# Altium PCB volt_sensor.PcbDoc (part 1 of 2) (continued)
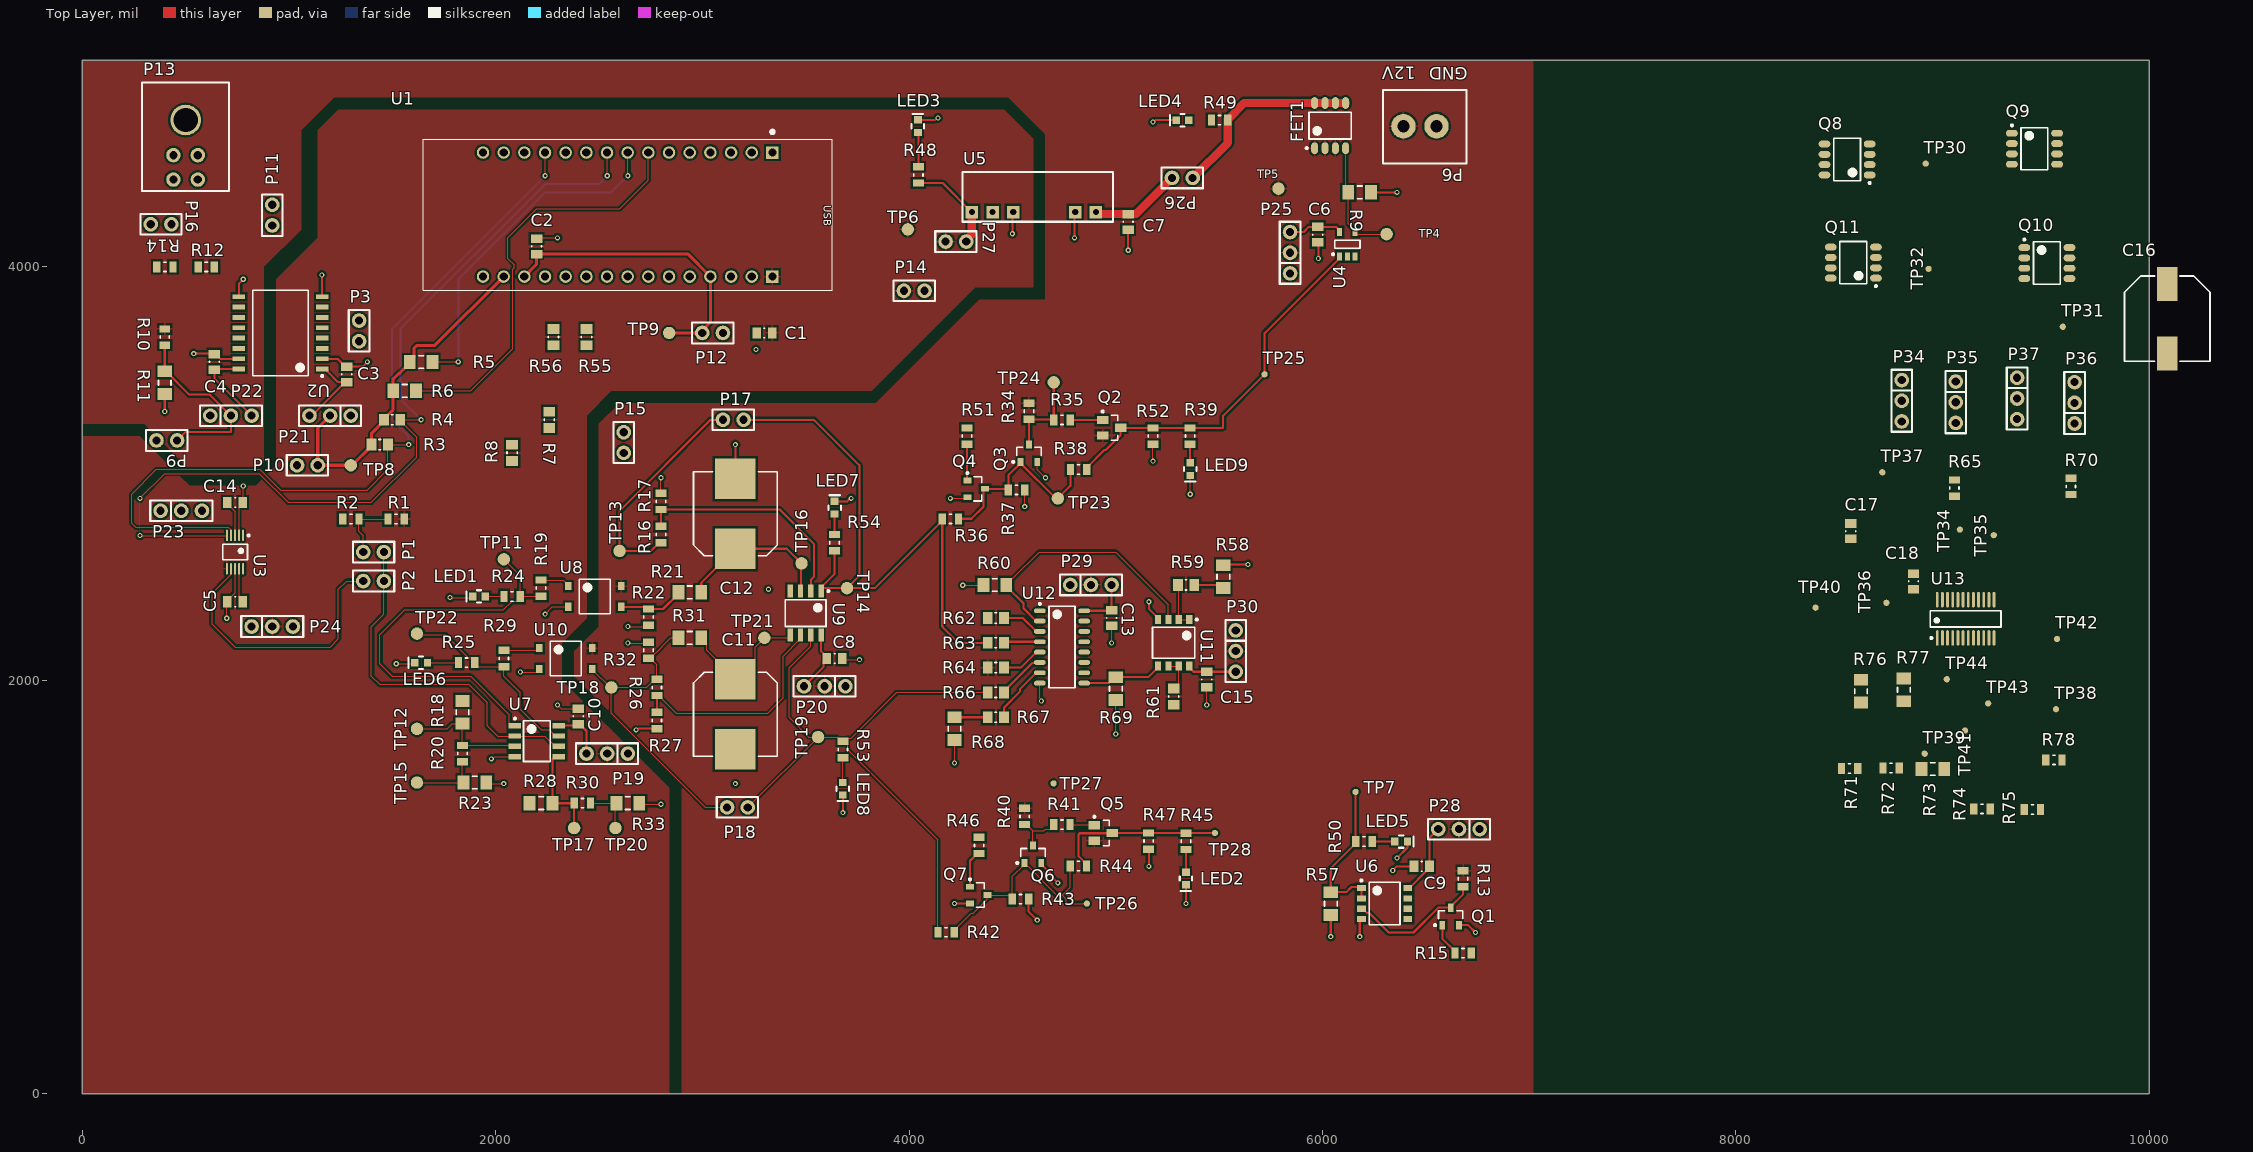
[diagram p0: Top Layer view]
## Footprints (in the part's own frame and the unit in brackets; to place one, negate y for a bottom-side part, rotate by r counter-clockwise, add the part's x,y. Pads: shape width x height; smd on the part's side, far side on the other; paste and mask are expansions set on the pad)
"2POS TERM BLOCK" [mm] "5mm Pitch"
  round 3 hole 1.5: 1(0,0) 2(4.064,0)
  silkscreen extent -2.5,-4.57 7.75,4.44, body extent -2.51,-4.57 8.09,4.43, height 12.6
430450400 [mil]
  round 70 hole 40: 1(59,170) 2(-59,170) 3(59,288) 4(-59,288)
  round 148 hole 118: 5(0,0)
  silkscreen extent -210,-181 210,344, body extent -200,-180 200,302, height 340
BU4S81G2 [mm]
  rect 1x0.6 smd: 1(-1.5,0.95) 2(-1.5,0) 3(-1.5,-0.95) 4(1.5,-0.95) 5(1.5,0.95)
  silkscreen extent -1.35,-1.55 0.5,1.87, body extent -0.9,-1.55 0.9,1.55, height 1.25
CAPAE110103X110N [mm] "Aluminum Electrolytic Capacitor, Body 10.30x10.30x11.00mm, IPC Medium Density"
  rect 4.15x2.5 smd: 1(-4.275,0) 2(4.275,0)
  silkscreen extent -5.25,-5.25 5.25,5.25, body extent -5.25,-5.25 5.25,5.25, height 11
CAPAE110103X126M [mm] "Aluminum Electrolytic Capacitor, Body 10.30x10.30x12.60mm, IPC Low Density"
  rect 5x5 smd: 1(-4.3,0) 2(4.3,0)
  silkscreen extent -5.15,-5.15 5.15,5.15, body extent -5.5,-5.15 5.5,5.15, height 12.6
FAIR-SOT23-3_V [mm] "SOT23, 3-Leads, Body 3.12x1.5mm, Pitch 0.95mm"
  rect 1.4x1 smd: 1(-1.1,0.95) 2(-1.1,-0.95) 3(1.1,0)
  silkscreen extent -1.22,-1.55 0.75,2.12, body extent -1.35,-1.56 1.35,1.56, height 1.2
"IL 41050TE" [mm]
  rect 1.5x0.6 smd: 1(-5.12,4.445) 2(-5.12,3.175) 3(-5.12,1.905) 4(-5.12,0.635) 5(-5.12,-0.635) 6(-5.12,-1.905) 7(-5.12,-3.175) 8(-5.12,-4.445) 9(5.12,-4.445) 10(5.12,-3.175) 11(5.12,-1.905) 12(5.12,-0.635) 13(5.12,0.635) 14(5.12,1.905) 15(5.12,3.175) 16(5.12,4.445)
  silkscreen extent -5.25,-5.25 3.4,5.42, body extent -5.16,-5.25 5.16,5.25, height 2.67
IS181D [mm]
  rect 0.8x1 smd: 1(-3.25,1.27) 2(-3.25,-1.27) 3(3.25,-1.27) 4(3.25,1.27)
  silkscreen extent -1.9,-2.1 1.9,2.1, body extent -2.3,-2.1 2.3,2.1, height 2
"LED 0603 ORANGE" [mm] "Chip Diode, 2-Leads, Body 1.60x0.80mm"
  rect 0.9x0.95 smd: 1(-0.775,0) 2(0.775,0)
  silkscreen extent -0.25,-0.76 1.52,0.76, body extent -0.8,-0.4 0.8,0.4, height 0.8
LT-GN-24_L [mm] "SOP, 24-Leads, Body 8.7x4mm, Pitch 0.635mm, IPC High Density"
  oval 1.9x0.35 smd: 1(-2.35,3.492) 2(-2.35,2.857) 3(-2.35,2.222) 4(-2.35,1.587) 5(-2.35,0.952) 6(-2.35,0.317) 7(-2.35,-0.318) 8(-2.35,-0.952) 9(-2.35,-1.587) 10(-2.35,-2.222) 11(-2.35,-2.857) 12(-2.35,-3.492) 13(2.35,-3.492) 14(2.35,-2.857) 15(2.35,-2.222) 16(2.35,-1.587) 17(2.35,-0.952) 18(2.35,-0.317) 19(2.35,0.318) 20(2.35,0.953) 21(2.35,1.588) 22(2.35,2.222) 23(2.35,2.857) 24(2.35,3.492)
  silkscreen extent -2.47,-4.35 1,4.35, body extent -2,-4.35 2,4.35, height 1.75
MAXM-U10+2_L [mm] "SOP, 10-Leads, Body 3x3mm, Pitch 0.5mm, IPC High Density"
  oval 1.4x0.25 smd: 1(-2.05,1) 2(-2.05,0.5) 3(-2.05,0) 4(-2.05,-0.5) 5(-2.05,-1) 6(2.05,-1) 7(2.05,-0.5) 8(2.05,0) 9(2.05,0.5) 10(2.05,1)
  silkscreen extent -2.17,-1.52 0.95,1.8, body extent -1.55,-1.55 1.55,1.55, height 1.1
NUCLEO-L432KC [mm]
  rect 1.53x1.53 hole 1.02: 3.1(0,0) 4.1(15.24,0)
  round 1.53 hole 1.02: 3.2(0,-2.54) 3.3(0,-5.08) 3.4(0,-7.62) 3.5(0,-10.16) 3.6(0,-12.7) 3.7(0,-15.24) 3.8(0,-17.78) 3.9(0,-20.32) 3.10(0,-22.86) 3.11(0,-25.4) 3.12(0,-27.94) 3.13(0,-30.48) 3.14(0,-33.02) 3.15(0,-35.56) 4.2(15.24,-2.54) 4.3(15.24,-5.08) 4.4(15.24,-7.62) 4.5(15.24,-10.16) 4.6(15.24,-12.7) 4.7(15.24,-15.24) 4.8(15.24,-17.78) 4.9(15.24,-20.32) 4.10(15.24,-22.86) 4.11(15.24,-25.4) 4.12(15.24,-27.94) 4.13(15.24,-30.48) 4.14(15.24,-33.02) 4.15(15.24,-35.56)
  silkscreen extent -2.74,-42.92 16.89,7.36, body extent -5.13,-47.16 19.87,10.84, height 6.96
"Pin Header 1x2 TH Pitch 2.54mm" [mm] "PinHeader 1x2 TH Pitch 2.54mm"
  round 1.8 hole 1: 1(0,0) 2(2.54,0)
  silkscreen extent -1.27,-1.27 3.81,1.27, body extent -1.27,-1.27 3.81,1.27, height 9.5
"Pin Header 1x3 TH Pitch 2.54mm" [mm] "PinHeader 1x3 TH Pitch 2.54mm"
  round 1.8 hole 1: 1(0,0) 2(2.54,0) 3(5.08,0)
  silkscreen extent -1.27,-1.27 6.35,1.27, body extent -1.27,-1.27 6.35,1.27, height 9.5
RESC2013X60X35ML10T20 [mm] "Chip Resistor, 2-Leads, Body 2.1x1.35mm, IPC Low Density"
  rect 1.2x1.45 smd: 1(-1,0) 2(1,0)
  silkscreen extent -0.1,-0.63 0.1,0.63, body extent -1.05,-0.68 1.05,0.67, height 0.6
RS3L110AT [mm] "SOP, 8-Leads, Body 5.00x3.90mm, Pitch 1.27mm, IPC Medium Density"
  oval 1.45x0.85 smd: 1(-2.775,1.905) 2(-2.775,0.635) 3(-2.775,-0.635) 4(-2.775,-1.905) 5(2.775,-1.905) 6(2.775,-0.635) 7(2.775,0.635) 8(2.775,1.905)
  silkscreen extent -2.9,-2.6 1.65,3, body extent -2.05,-2.6 2.05,2.6, height 1.75
SMD-0805-RES [mm]
  rect 0.9x1.35 smd: 1(-1,0) 2(1,0)
  silkscreen extent -0.15,-0.58 0.15,0.58, body extent -1.1,-0.67 1.1,0.67, height 0.5
SMD-0805C [mm]
  rect 1.05x1.4 smd: 1(-0.95,0) 2(0.95,0)
  silkscreen extent -0.05,-0.6 0.05,0.6, body extent -1.1,-0.67 1.1,0.67, height 0.5
SMD-1206-RES [mm]
  rect 1.45x1.75 smd: 1(-1.4,0) 2(1.4,0)
  silkscreen extent -0.3,-0.77 0.3,0.77, body extent -1.78,-0.87 1.78,0.87, height 0.5
SOIC127P600X135-16N [mm] "SOIC, 16-Leads, Body 9.90x3.90mm, Pitch 1.27mm, IPC Medium Density"
  oval 1.45x0.6 smd: 1(-2.725,4.445) 2(-2.725,3.175) 3(-2.725,1.905) 4(-2.725,0.635) 5(-2.725,-0.635) 6(-2.725,-1.905) 7(-2.725,-3.175) 8(-2.725,-4.445) 9(2.725,-4.445) 10(2.725,-3.175) 11(2.725,-1.905) 12(2.725,-0.635) 13(2.725,0.635) 14(2.725,1.905) 15(2.725,3.175) 16(2.725,4.445)
  silkscreen extent -2.85,-5 1.6,5.42, body extent -2,-5 2,5, height 1.75
SOP127P600X175-8N [mm] "SOP, 8-Leads, Body 4.91x3.90mm, Pitch 1.27mm, IPC Medium Density"
  rect 1.55x0.65 smd: 1(-2.7,1.905) 2(-2.7,0.635) 3(-2.7,-0.635) 4(-2.7,-1.905) 5(2.7,-1.905) 6(2.7,-0.635) 7(2.7,0.635) 8(2.7,1.905)
  silkscreen extent -2.82,-2.5 1.65,2.9, body extent -3,-2.5 3,2.5, height 1.75
SOP127P620X150-8N [mm] "SOP, 8-Leads, Body 5.00x4.40mm, Pitch 1.27mm, IPC Medium Density"
  rect 1.1x0.76 smd: 1(-2.85,1.905) 2(-2.85,0.635) 3(-2.85,-0.635) 4(-2.85,-1.905) 5(2.85,-1.905) 6(2.85,-0.635) 7(2.85,0.635) 8(2.85,1.905)
  silkscreen extent -2.97,-2.6 1.9,2.96, body extent -2.3,-2.6 2.3,2.6, height 1.5
SOTFL103P240X110-3N [mm]
  rect 1x0.7 smd: 1(0.576,2.681) 2(0.576,0.621) 3(2.726,1.651)
  silkscreen extent 0.45,0.15 2.35,3.71, body extent 0.45,0.15 2.85,3.15, height 1.1
"Test Point"#1 [mil] "SMD Test Point"
  round 60 smd: 1(0,0)
"Test Point"#2 [mil] "SMD Test Point"
  round 30 smd: 1(0,0)
"Test Point"#3 [mil] "SMD Test Point"
  round 30 smd: 1(1.25,0)
TMV1212S-Footprint-1 [mil]
  rect 60x60 hole 30: 1(-281.5,73.62) 2(-181.5,73.62) 5(118.5,73.62) 6(218.5,73.62) 7(318.5,73.62)
  silkscreen extent -364,-120 364,120, body extent -360,-115 360,115, height 402

## Part data
C1 C2 C3 C4 C5 C6 C7 C8 C9 C10 C13 C14 C15: library part CMP-001-00205-1, "CAP CER 10UF 10V X7R 0805", Digi-Key Part Number=490-10674-1-ND, Manufacturer="Murata Electronics North America", Operating Temperature="-55°C ~ 125°C", Package / Case="0805 (2012 Metric)", Ratings=AEC-Q200, Temperature Coefficient=X7R, Tolerance=10%, Voltage=10V, @ qty=0, Applications=Automotive, Datasheets=http://www.murata.com/~/media/webrenewal/support/library/catalog/products/capacitor/mlcc/c03e.ashx, Design Item ID=GCM21BR71A106KE22L, Factory Stock=0, Features=-, Height - Seated (Max)=-, Image=//media.digikey.com/photos/Murata%20Photos/NCP,GCM%20SERIES%200805.jpg, Lead Spacing=-, Lead Style=-, Minimum Quantity=1, Mounting Type="Surface Mount, MLCC", Packaging="Cut Tape (CT)", Part Number=GCM21BR71A106KE22L, Part Status=Active, Quantity Available=125344, Series=GCM, Source=capacitors.SchLib, Unit Price (USD)=0.49
C11 C12: library part CMP-001-00091-1, "CAP ALUM POLY 100UF 20% 63V SMD", Case/Package=Radial, ESR (Equivalent Series Resistance)=24m, Leakage Current=3uA, Manufacturer=Nichicon, Max Operating Temperature=125°C, Min Operating Temperature=-55°C, Package Quantity=1, Ripple Current=3A, Tolerance=20%, Voltage=63V, ComponentLink1Description=https://datasheet.ciiva.com/29551/e-ch-ta-29551389.pdf?src-supplier=Digi-Key, ComponentLink1URL=https://datasheet.ciiva.com/29551/e-ch-ta-29551389.pdf?src-supplier=Digi-Key, ComponentLink2Description=https://datasheet.ciiva.com/29551/e-ch-ta-29551390.pdf?src-supplier=Digi-Key, ComponentLink2URL=https://datasheet.ciiva.com/29551/e-ch-ta-29551390.pdf?src-supplier=Digi-Key, ComponentLink3Description=https://datasheet.ciiva.com/29551/e-ch-ta-29551391.pdf?src-supplier=Digi-Key, ComponentLink3URL=https://datasheet.ciiva.com/29551/e-ch-ta-29551391.pdf?src-supplier=Digi-Key, Depth=10.3mm, Design Item ID=PCR1J101MCL1GS, Diameter=10mm, Dissipation Factor=0.08%, Height=12.7mm, Height - Seated (Max)=0.504inch, Lead Free="Lead Free", Lead Pitch=4.6mm, Length=12.7mm, Life (Hours)=4000Hour, Manufacturer Part Number=PCR1J101MCL1GS, Mount="Surface Mount,PCB", Packaging="Tape and Reel", Pricing 1="1=3.63000, 10=2.92800, 100=2.28380 (USD)", RoHS=Yes, Source=capacitors.SchLib, Stock 1=11476, Termination=SMD/SMT, Voltage Rating=63V, Voltage Rating (DC)=63V, Weight=0.045856oz
C16: "Aluminum Organic Polymer Capacitors 25V 330uf", Capacitance=330µF, ComponentLink1Description=Link, ComponentLink1URL=https://www.mouser.com/ProductDetail/Nichicon/GYB1E331MCW1GS?qs=sGAEpiMZZMvwFf0viD3Y3a3yb5D6sPUgteTcG6zlWVz7Qxll6G9Nxw%3D%3D
C17 C18: library part GCJ21BR71H104KA01L, "CAP CER 0.1UF 50V X7R 0805", Digi-Key Part Number=490-5803-1-ND, Manufacturer="Murata Electronics North America", Operating Temperature="-55°C ~ 125°C", Package / Case="0805 (2012 Metric)", Ratings=AEC-Q200, Temperature Coefficient=X7R, Tolerance=±10%, Voltage=50V, @ qty=0, Applications="Automotive, Boardflex Sensitive", Datasheets=http://www.murata.com/~/media/webrenewal/support/library/catalog/products/capacitor/mlcc/c03e.ashx, Factory Stock=0, Features="Soft Termination", Height - Seated (Max)=-, Image=//media.digikey.com/Renders/Murata%20Renders/0805%20(2012%20Metric)%20.85mm.jpg, Lead Spacing=-, Lead Style=-, Minimum Quantity=1, Mounting Type="Surface Mount, MLCC", Packaging="Cut Tape (CT)", Part Number=GCJ21BR71H104KA01L, Part Status=Active, Quantity Available=700, Series=GCJ, Size / Dimension="0.079\" L x 0.049\" W (2.00mm x 1.25mm)", Thickness (Max)="0.057\" (1.45mm)", Unit Price (USD)=0.24
FET1: library part CMP-008-000012-3, "Transistor MOSFET P-Channel -60V ±11A 8-Pin SOP T/R", Transistor Type="P-channel MOSFET"
LED1 LED2 LED3 LED4 LED5 LED6 LED7 LED8 LED9: library part CMP-040-000018-1, "A-0603UOC", Color=ORANGE, Manufacturer="Lighthouse LEDs", Package / Case=0603, Availability="In Stock", ComponentLink1Description=Manufacturer, ComponentLink1URL=https://lighthouseleds.com/0603-smd-led-orange-ultra-bright-170-mcd.html, Datasheets=https://lighthouseleds.com/downloads/dl/file/id/11/0603_orange_amber_smd_led_datasheet.pdf, Design Item ID="LED ORANGE 0603", Manufacturer P/N=A-0603UOC, Minimum Quantity=1, Source=misc.SchLib
P1 P2 P3 P9 P10 P11 P12 P14 P15 P16 P17 P18 P26 P27: library part CMP-002-00072-1, "Header, 2-Pin", Design Item ID="Header 2", LatestRevisionDate=17-Jul-2002, LatestRevisionNote="Re-released for DXP Platform.", Publisher="Altium Limited", Source=connector.SchLib, Type=Connector
P6: library part CMP-008-000000-1, "Screw Terminal, 2-Pin", Design Item ID="Screw Terminal 2x1", Source=connector.SchLib, Type=Connector
P13: library part CMP-002-00097-1, "Male connector dual row 90° 3 mm Pole no. 2x2 Micro-Fit, 43045-0400, Molex", Color=Black, Contact Resistance=10mR, Flammability Rating="UL94 V-0", Manufacturer=Molex, Max Operating Temperature=105°C, Min Operating Temperature=-40°C, Voltage Rating=250V, ComponentLink1Description=https://datasheet.ciiva.com/712/430450200-sd-712017.pdf?src-supplier=Digi-Key, ComponentLink1URL=https://datasheet.ciiva.com/712/430450200-sd-712017.pdf?src-supplier=Digi-Key, ComponentLink2Description=https://datasheet.ciiva.com/20209/22-3744e-20209522.pdf?src-supplier=Rapid+Electronics, ComponentLink2URL=https://datasheet.ciiva.com/20209/22-3744e-20209522.pdf?src-supplier=Rapid+Electronics, ComponentLink3Description=https://datasheet.ciiva.com/11746/0900766b80027348-11746988.pdf?src-supplier=RSComponents, ComponentLink3URL=https://datasheet.ciiva.com/11746/0900766b80027348-11746988.pdf?src-supplier=RSComponents, ComponentLink4Description=https://datasheet.ciiva.com/30193/145420430450400-pcb-headers-30193310.pdf?src-supplier=Onlinecomponents.com, ComponentLink4URL=https://datasheet.ciiva.com/30193/145420430450400-pcb-headers-30193310.pdf?src-supplier=Onlinecomponents.com, Connector Type="Male Pin", Contact Material=Brass, Contact Plating=Tin, Depth=12.2mm, Design Item ID=43045-0400, Fastening Type=Ramp, Housing Color=Black, Housing Material=Polymer, Length=10.15mm, Manufacturer Part Number=43045-0400, Mount="Through Hole", Number of Contacts=4, Number of Positions=4, Number of Rows=2, Orientation="Right Angle", Packaging=Tray, Pitch=3mm, Pricing 1="1=1.33000, 10=1.16700, 100=1.00670, 500=0.82368, 1000=0.73216, 5000=0.64064, 10000=0.60861 (USD)", RoHS=Yes, Row Spacing=0.118inch, Source=connector.SchLib, Stock 1=5904, Termination=Solder
P19 P20 P21 P22 P23 P24 P25 P28 P29 P30 P34 P35 P36 P37: library part CMP-002-00073-1, "Header, 3-Pin", Design Item ID="Header 3", LatestRevisionDate=17-Jul-2002, LatestRevisionNote="Re-released for DXP Platform.", Publisher="Altium Limited", Source=connector.SchLib, Type=Connector
Q1 Q3 Q4 Q6 Q7: library part CMP-040-000001-1, "Small Signal Bipolar Transistor, 0.5A I(C), 45V V(BR)CEO, 1-Element, NPN, Silicon", Collector-base Capacitance-Max=4.5pF, Collector-emitter Voltage-Max=45V, DC Current Gain-Min (hFE)=100, Manufacturer="ON Semiconductor / Fairchild", Max Collector Current=500mA, Max Operating Temperature=150°C, Package Body Material=Plastic, Package Shape=Rectangular, Package Style="SMALL OUTLINEMeter", Power Dissipation-Max (Abs)=350mW, Transition Frequency-Nom (fT)=250MHz, Category=BJTs, ComponentLink1Description=https://datasheet.ciiva.com:443/pdfs/VipMasterIC/IC/ONSM/ONSM-S-A0003589371/ONSM-S-A0003589371-1.pdf?src-supplier=IHS+Markit, ComponentLink1URL=https://datasheet.ciiva.com:443/pdfs/VipMasterIC/IC/ONSM/ONSM-S-A0003589371/ONSM-S-A0003589371-1.pdf?src-supplier=IHS+Markit, ComponentLink2Description=https://datasheet.ciiva.com/4721/mmbt100-196018-4721422.pdf?src-supplier=Mouser, ComponentLink2URL=https://datasheet.ciiva.com/4721/mmbt100-196018-4721422.pdf?src-supplier=Mouser, ComponentLink3Description=https://datasheet.ciiva.com/11206/pn100a-11206125.pdf?src-supplier=Avnet, ComponentLink3URL=https://datasheet.ciiva.com/11206/pn100a-11206125.pdf?src-supplier=Avnet, ComponentLink4Description=https://datasheet.ciiva.com/26114/pn100a-26114236.pdf?src-supplier=Avnet+Europe, ComponentLink4URL=https://datasheet.ciiva.com/26114/pn100a-26114236.pdf?src-supplier=Avnet+Europe, ComponentLink5Description=https://datasheet.ciiva.com/11198/pn100a-11198959.pdf?src-supplier=Avnet, ComponentLink5URL=https://datasheet.ciiva.com/11198/pn100a-11198959.pdf?src-supplier=Avnet, ComponentLink6Description=https://datasheet.ciiva.com/6361/mmbt100-6361016.pdf?src-supplier=Digi-Key, ComponentLink6URL=https://datasheet.ciiva.com/6361/mmbt100-6361016.pdf?src-supplier=Digi-Key, ComponentLink7Description=https://datasheet.ciiva.com/6356/mmbt100-6356120.pdf?src-supplier=Digi-Key, ComponentLink7URL=https://datasheet.ciiva.com/6356/mmbt100-6356120.pdf?src-supplier=Digi-Key, ComponentLink8Description=https://datasheet.ciiva.com/6361/mmbt100-6361014.pdf?src-supplier=Digi-Key, ComponentLink8URL=https://datasheet.ciiva.com/6361/mmbt100-6361014.pdf?src-supplier=Digi-Key, Design Item ID=MMBT100, JESD-30 Code=R-PDSO-G3, Manufacturer Part Number=MMBT100, Moisture Sensitivity Level=1, Number of Elements=1, Number of Pins=3, Polarity/Channel Type=NPN, Pricing 1="1=0.35700, 5=0.35700, 10=0.24700, 100=0.10500 (USD)", Qualification Status="Not Qualified", REACH SVHC=Yes, RoHS=Yes, RoHS Compliant=Yes, Source=misc.SchLib, Stock 1=66397, Surface Mount=Yes, Terminal Form="Gull Wing", Terminal Position=DUAL, Transistor Application=AMPLIFIER, Transistor Element Material=SILICON, VCEsat-Max=200mV
Q2 Q5: library part CMP-013-00008-2, "PNP General-Purpose Amplifier, 40 V, 0.2 A, -55 to 150 degC, 3-Pin SOT23, RoHS, Tape and Reel", Case/Package=TO-236-3, Frequency=250MHz, Manufacturer=Fairchild, Max Operating Temperature=150°C, Min Operating Temperature=-55°C, Package Description="3-Pin Small Outline Transistor, Body 2.92 x 1.325 mm, Pitch 0.95 mm", Package Quantity=3000, Package Reference=SOT23-3, Package Version="Rev. 12, 03/2016", Power=350mW, Datasheet URL=https://www.fairchildsemi.com/datasheets/MM/MMBT3906.pdf, Datasheet Version="Rev. 1.2.2, 04/2014", Elements=1, hFE Min=100, Mounting Technology=SM, Packaging=TapeandReel, Pins=3, RoHS Compliant=True, Vce Max=400mV
Q8 Q9 Q10 Q11: library part CMP-008-000012-4, "Transistor MOSFET P-Channel -60V ±11A 8-Pin SOP T/R", Transistor Type="P-channel MOSFET"
  Q9 Q10: __ORIG_LIFECYCLESTATEGUID__=706004B5-C76E-482E-903B-BA0E4FAE086A
R1 R20 R30: library part CMP-009-01751-1, "RES SMD 7.5K OHM 5% 1/8W 0805", Digi-Key Part Number=P7.5KACT-ND, Manufacturer="Panasonic Electronic Components", Operating Temperature="-55°C ~ 155°C", Package / Case="0805 (2012 Metric)", Power (Watts)="0.125W, 1/8W", Supplier Device Package=0805, Temperature Coefficient=±200ppm/°C, Tolerance=5%, @ qty=1500, Composition="Thick Film", Datasheets=http://industrial.panasonic.com/www-cgi/jvcr13pz.cgi?E+PZ+3+AOA0001+ERJ6GEYJ752V+7+WW, Design Item ID=ERJ-6GEYJ752V, Factory Stock=0, Failure Rate=-, Features="Automotive AEC-Q200", Image=//media.digikey.com/Renders/Panasonic%20Renders/ERJ-0805%20Pkg.jpg, Minimum Quantity=1, Number of Terminations=2, Packaging="Cut Tape (CT)", Part Number=ERJ-6GEYJ752V, Part Status=Active, Quantity Available=39543, Series=ERJ, Source=resistors.SchLib, Unit Price (USD)=0.00496
  R1: Height - Seated (Max)="0.028\" (0.70mm)", Size / Dimension="0.079\" L x 0.049\" W (2.00mm x 1.25mm)"
R2 R17 R27: library part CMP-009-01074-1, "RES SMD 13.3K OHM 1% 1/8W 0805", Digi-Key Part Number=P13.3KCCT-ND, Manufacturer="Panasonic Electronic Components", Operating Temperature="-55°C ~ 155°C", Package / Case="0805 (2012 Metric)", Power (Watts)="0.125W, 1/8W", Supplier Device Package=0805, Temperature Coefficient=±100ppm/°C, Tolerance=1%, @ qty=1500, Composition="Thick Film", Datasheets=http://industrial.panasonic.com/www-cgi/jvcr13pz.cgi?E+PZ+3+AOA0002+ERJ6ENF1332V+7+WW, Design Item ID=ERJ-6ENF1332V, Factory Stock=0, Failure Rate=-, Features="Automotive AEC-Q200", Height - Seated (Max)="0.028\" (0.70mm)", Image=//media.digikey.com/Renders/Panasonic%20Renders/ERJ-0805%20Pkg.jpg, Minimum Quantity=1, Number of Terminations=2, Packaging="Cut Tape (CT)", Part Number=ERJ-6ENF1332V, Part Status=Active, Quantity Available=24077, Series=ERJ, Size / Dimension="0.079\" L x 0.049\" W (2.00mm x 1.25mm)", Source=resistors.SchLib, Unit Price (USD)=0.00729
R3 R4 R7 R8 R55 R56 R59 R61 R62 R63 R64 R66 R67: library part CMP-009-00007-5, "Chip Resistor, 0 Ohm, 0.125 W, -55 to 155 degC, 0805 (2012 Metric)", Case/Package=0805, Max Operating Temperature=155°C, Min Operating Temperature=-55°C, Power=125mW, Tolerance=5%, Voltage Rating=50V, Mounting Technology=SM, Pins=2, RoHS Compliant=True
R5 R6: library part CMP-009-00681-1, "RES SMD 10K OHM 5% 2/3W 1206", Digi-Key Part Number=P10KALCT-ND, Manufacturer="Panasonic Electronic Components", Operating Temperature="-55°C ~ 155°C", Package / Case="1206 (3216 Metric)", Power (Watts)="0.667W, 2/3W", Supplier Device Package=1206, Temperature Coefficient=±200ppm/°C, Tolerance=5%, @ qty=1500, Composition="Thick Film", Datasheets=https://industrial.panasonic.com/cdbs/www-data/pdf/RDA0000/AOA0000C243.pdf, Design Item ID=ERJ-P08J103V, Factory Stock=0, Failure Rate=-, Features="Automotive AEC-Q200, Pulse Withstanding", Image=//media.digikey.com/Renders/Panasonic%20Renders/ERJ-1206%20Pkg.jpg, Minimum Quantity=1, Number of Terminations=2, Packaging="Cut Tape (CT)", Part Number=ERJ-P08J103V, Part Status=Active, Quantity Available=46069, Series=ERJ, Source=resistors.SchLib, Unit Price (USD)=0.02178
R9 R57 R58 R60 R68 R69: library part CMP-009-01876-1, "RES SMD 10K OHM 1% 1/4W 1206", Digi-Key Part Number=P10.0KFCT-ND, Manufacturer="Panasonic Electronic Components", Operating Temperature="-55°C ~ 155°C", Package / Case="1206 (3216 Metric)", Power (Watts)="0.25W, 1/4W", Supplier Device Package=1206, Temperature Coefficient=±100ppm/°C, Tolerance=1%, @ qty=1500, Composition="Thick Film", Datasheets=http://industrial.panasonic.com/www-cgi/jvcr13pz.cgi?E+PZ+3+AOA0002+ERJ8ENF1002V+7+WW, Design Item ID=ERJ-8ENF1002V, Factory Stock=0, Failure Rate=-, Features="Automotive AEC-Q200", Height - Seated (Max)="0.028\" (0.70mm)", Image=//media.digikey.com/Renders/Panasonic%20Renders/ERJ-1206%20Pkg.jpg, Minimum Quantity=1, Number of Terminations=2, Packaging="Cut Tape (CT)", Part Number=ERJ-8ENF1002V, Part Status=Active, Quantity Available=1108398, Series=ERJ, Size / Dimension="0.126\" L x 0.063\" W (3.20mm x 1.60mm)", Source=resistors.SchLib, Unit Price (USD)=0.00933
R10: library part CMP-009-00816-1, "RES SMD 1.8K OHM 5% 1/2W 0805", Digi-Key Part Number=P16957CT-ND, Manufacturer="Panasonic Electronic Components", Operating Temperature="-55°C ~ 155°C", Package / Case="0805 (2012 Metric)", Power (Watts)="0.5W, 1/2W", Supplier Device Package=0805, Temperature Coefficient=±200ppm/°C, Tolerance=5%, @ qty=1500, Composition="Thick Film", Datasheets=https://industrial.panasonic.com/cdbs/www-data/pdf/RDA0000/AOA0000C243.pdf, Design Item ID=ERJ-P6WJ182V, Factory Stock=0, Failure Rate=-, Features="Automotive AEC-Q200, Pulse Withstanding", Image=//media.digikey.com/Renders/Panasonic%20Renders/ERJ-0805%20Pkg.jpg, Minimum Quantity=1, Number of Terminations=2, Packaging="Cut Tape (CT)", Part Number=ERJ-P6WJ182V, Part Status=Active, Quantity Available=4974, Series=ERJ, Source=resistors.SchLib, Unit Price (USD)=0.08237
R11: library part CMP-009-01938-1, "RES SMD 1.3K OHM 1% 1/4W 1206", Digi-Key Part Number=P1.30KFCT-ND, Manufacturer="Panasonic Electronic Components", Operating Temperature="-55°C ~ 155°C", Package / Case="1206 (3216 Metric)", Power (Watts)="0.25W, 1/4W", Supplier Device Package=1206, Temperature Coefficient=±100ppm/°C, Tolerance=1%, @ qty=1500, Composition="Thick Film", Datasheets=http://industrial.panasonic.com/www-cgi/jvcr13pz.cgi?E+PZ+3+AOA0002+ERJ8ENF1301V+7+WW, Design Item ID=ERJ-8ENF1301V, Factory Stock=0, Failure Rate=-, Features="Automotive AEC-Q200", Image=//media.digikey.com/Renders/Panasonic%20Renders/ERJ-1206%20Pkg.jpg, Minimum Quantity=1, Number of Terminations=2, Packaging="Cut Tape (CT)", Part Number=ERJ-8ENF1301V, Part Status=Active, Quantity Available=30862, Series=ERJ, Source=resistors.SchLib, Unit Price (USD)=0.00933
R12 R14: library part CMP-009-01480-1, "RES SMD 60.4 OHM 1% 1/8W 0805", Digi-Key Part Number=P60.4CCT-ND, Manufacturer="Panasonic Electronic Components", Operating Temperature="-55°C ~ 155°C", Package / Case="0805 (2012 Metric)", Power (Watts)="0.125W, 1/8W", Supplier Device Package=0805, Temperature Coefficient=±100ppm/°C, Tolerance=1%, @ qty=1500, Composition="Thick Film", Datasheets=http://industrial.panasonic.com/www-cgi/jvcr13pz.cgi?E+PZ+3+AOA0002+ERJ6ENF60R4V+7+WW, Design Item ID=ERJ-6ENF60R4V, Factory Stock=0, Failure Rate=-, Features="Automotive AEC-Q200", Height - Seated (Max)="0.028\" (0.70mm)", Image=//media.digikey.com/Renders/Panasonic%20Renders/ERJ-0805%20Pkg.jpg, Minimum Quantity=1, Number of Terminations=2, Packaging="Cut Tape (CT)", Part Number=ERJ-6ENF60R4V, Part Status=Active, Quantity Available=57422, Series=ERJ, Size / Dimension="0.079\" L x 0.049\" W (2.00mm x 1.25mm)", Source=resistors.SchLib, Unit Price (USD)=0.00729
R13 R15 R19 R22 R29 R32 R34 R35 R38 R40 R41 R44 R46 R51: library part CMP-009-02659-1, "RES SMD 1K OHM 1% 1/2W 0805", Digi-Key Part Number=P16058CT-ND, Manufacturer="Panasonic Electronic Components", Operating Temperature="-55°C ~ 155°C", Package / Case="0805 (2012 Metric)", Power (Watts)="0.5W, 1/2W", Supplier Device Package=0805, Temperature Coefficient=±100ppm/°C, Tolerance=1%, @ qty=1500, Composition="Thick Film", Datasheets=https://industrial.panasonic.com/cdbs/www-data/pdf/RDA0000/AOA0000C243.pdf, Design Item ID=ERJ-P06F1001V, Factory Stock=0, Failure Rate=-, Features="Automotive AEC-Q200, Pulse Withstanding", Image=//media.digikey.com/Renders/Panasonic%20Renders/ERJ-0805%20Pkg.jpg, Minimum Quantity=1, Number of Terminations=2, Packaging="Cut Tape (CT)", Part Number=ERJ-P06F1001V, Part Status=Active, Quantity Available=161264, Series=ERJ, Source=resistors.SchLib, Unit Price (USD)=0.02534
  R13 R15 R22 R32 R34 R35 R38 R40 R41 R44 R46 R51: Height - Seated (Max)="0.028\" (0.70mm)", Size / Dimension="0.079\" L x 0.049\" W (2.00mm x 1.25mm)"
R16 R26: library part CMP-009-01502-1, "RES SMD 6.65K OHM 1% 1/8W 0805", Digi-Key Part Number=P6.65KCCT-ND, Manufacturer="Panasonic Electronic Components", Operating Temperature="-55°C ~ 155°C", Package / Case="0805 (2012 Metric)", Power (Watts)="0.125W, 1/8W", Supplier Device Package=0805, Temperature Coefficient=±100ppm/°C, Tolerance=1%, @ qty=1500, Composition="Thick Film", Datasheets=http://industrial.panasonic.com/www-cgi/jvcr13pz.cgi?E+PZ+3+AOA0002+ERJ6ENF6651V+7+WW, Design Item ID=ERJ-6ENF6651V, Factory Stock=0, Failure Rate=-, Features="Automotive AEC-Q200", Height - Seated (Max)="0.028\" (0.70mm)", Image=//media.digikey.com/Renders/Panasonic%20Renders/ERJ-0805%20Pkg.jpg, Minimum Quantity=1, Number of Terminations=2, Packaging="Cut Tape (CT)", Part Number=ERJ-6ENF6651V, Part Status=Active, Quantity Available=36879, Series=ERJ, Size / Dimension="0.079\" L x 0.049\" W (2.00mm x 1.25mm)", Source=resistors.SchLib, Unit Price (USD)=0.00729
R18 R28: library part CMP-009-02429-1, "RES SMD 90.9K OHM 1% 1/4W 1206", Digi-Key Part Number=P90.9KFCT-ND, Manufacturer="Panasonic Electronic Components", Operating Temperature="-55°C ~ 155°C", Package / Case="1206 (3216 Metric)", Power (Watts)="0.25W, 1/4W", Supplier Device Package=1206, Temperature Coefficient=±100ppm/°C, Tolerance=1%, @ qty=1500, Composition="Thick Film", Datasheets=http://industrial.panasonic.com/www-cgi/jvcr13pz.cgi?E+PZ+3+AOA0002+ERJ8ENF9092V+7+WW, Design Item ID=ERJ-8ENF9092V, Factory Stock=0, Failure Rate=-, Features="Automotive AEC-Q200", Image=//media.digikey.com/Renders/Panasonic%20Renders/ERJ-1206%20Pkg.jpg, Minimum Quantity=1, Number of Terminations=2, Packaging="Cut Tape (CT)", Part Number=ERJ-8ENF9092V, Part Status=Active, Quantity Available=48984, Series=ERJ, Source=resistors.SchLib, Unit Price (USD)=0.00933
R21 R31: library part CMP-009-02339-1, "RES SMD 62K OHM 1% 1/4W 1206", Digi-Key Part Number=P62.0KFCT-ND, Manufacturer="Panasonic Electronic Components", Operating Temperature="-55°C ~ 155°C", Package / Case="1206 (3216 Metric)", Power (Watts)="0.25W, 1/4W", Supplier Device Package=1206, Temperature Coefficient=±100ppm/°C, Tolerance=1%, @ qty=1500, Composition="Thick Film", Datasheets=http://industrial.panasonic.com/www-cgi/jvcr13pz.cgi?E+PZ+3+AOA0002+ERJ8ENF6202V+7+WW, Design Item ID=ERJ-8ENF6202V, Factory Stock=0, Failure Rate=-, Features="Automotive AEC-Q200", Image=//media.digikey.com/Renders/Panasonic%20Renders/ERJ-1206%20Pkg.jpg, Minimum Quantity=1, Number of Terminations=2, Packaging="Cut Tape (CT)", Part Number=ERJ-8ENF6202V, Part Status=Active, Quantity Available=35149, Series=ERJ, Source=resistors.SchLib, Unit Price (USD)=0.00933
R23 R33: library part CMP-009-02103-1, "RES SMD 2.55K OHM 1% 1/4W 1206", Digi-Key Part Number=P2.55KFCT-ND, Manufacturer="Panasonic Electronic Components", Operating Temperature="-55°C ~ 155°C", Package / Case="1206 (3216 Metric)", Power (Watts)="0.25W, 1/4W", Supplier Device Package=1206, Temperature Coefficient=±100ppm/°C, Tolerance=1%, @ qty=1500, Composition="Thick Film", Datasheets=http://industrial.panasonic.com/www-cgi/jvcr13pz.cgi?E+PZ+3+AOA0002+ERJ8ENF2551V+7+WW, Design Item ID=ERJ-8ENF2551V, Factory Stock=0, Failure Rate=-, Features="Automotive AEC-Q200", Image=//media.digikey.com/Renders/Panasonic%20Renders/ERJ-1206%20Pkg.jpg, Minimum Quantity=1, Number of Terminations=2, Packaging="Cut Tape (CT)", Part Number=ERJ-8ENF2551V, Part Status=Active, Quantity Available=30143, Series=ERJ, Source=resistors.SchLib, Unit Price (USD)=0.00933
R24 R25 R39 R45 R48 R49 R50 R53 R54: library part CMP-009-00645-1, "RES SMD 510 OHM 5% 1/2W 0805", Digi-Key Part Number=P510ADCT-ND, Manufacturer="Panasonic Electronic Components", Operating Temperature="-55°C ~ 155°C", Package / Case="0805 (2012 Metric)", Power (Watts)="0.5W, 1/2W", Supplier Device Package=0805, Temperature Coefficient=±200ppm/°C, Tolerance=5%, @ qty=1500, Composition="Thick Film", Datasheets=https://industrial.panasonic.com/cdbs/www-data/pdf/RDA0000/AOA0000C243.pdf, Design Item ID=ERJ-P06J511V, Factory Stock=0, Failure Rate=-, Features="Automotive AEC-Q200, Pulse Withstanding", Height - Seated (Max)="0.028\" (0.70mm)", Image=//media.digikey.com/Renders/Panasonic%20Renders/ERJ-0805%20Pkg.jpg, Minimum Quantity=1, Number of Terminations=2, Packaging="Cut Tape (CT)", Part Number=ERJ-P06J511V, Part Status=Active, Quantity Available=54515, Series=ERJ, Size / Dimension="0.079\" L x 0.049\" W (2.00mm x 1.25mm)", Source=resistors.SchLib, Unit Price (USD)=0.01839
R36 R42: library part CMP-009-01342-1, "RES SMD 3.6K OHM 1% 1/8W 0805", Digi-Key Part Number=P3.60KCCT-ND, Manufacturer="Panasonic Electronic Components", Operating Temperature="-55°C ~ 155°C", Package / Case="0805 (2012 Metric)", Power (Watts)="0.125W, 1/8W", Supplier Device Package=0805, Temperature Coefficient=±100ppm/°C, Tolerance=1%, @ qty=1500, Composition="Thick Film", Datasheets=http://industrial.panasonic.com/www-cgi/jvcr13pz.cgi?E+PZ+3+AOA0002+ERJ6ENF3601V+7+WW, Design Item ID=ERJ-6ENF3601V, Factory Stock=0, Failure Rate=-, Features="Automotive AEC-Q200", Height - Seated (Max)="0.028\" (0.70mm)", Image=//media.digikey.com/Renders/Panasonic%20Renders/ERJ-0805%20Pkg.jpg, Minimum Quantity=1, Number of Terminations=2, Packaging="Cut Tape (CT)", Part Number=ERJ-6ENF3601V, Part Status=Active, Quantity Available=32253, Series=ERJ, Size / Dimension="0.079\" L x 0.049\" W (2.00mm x 1.25mm)", Source=resistors.SchLib, Unit Price (USD)=0.00729